# Altium PCB SensorMotherBoard.PcbDoc (part 1 of 2) (continued)
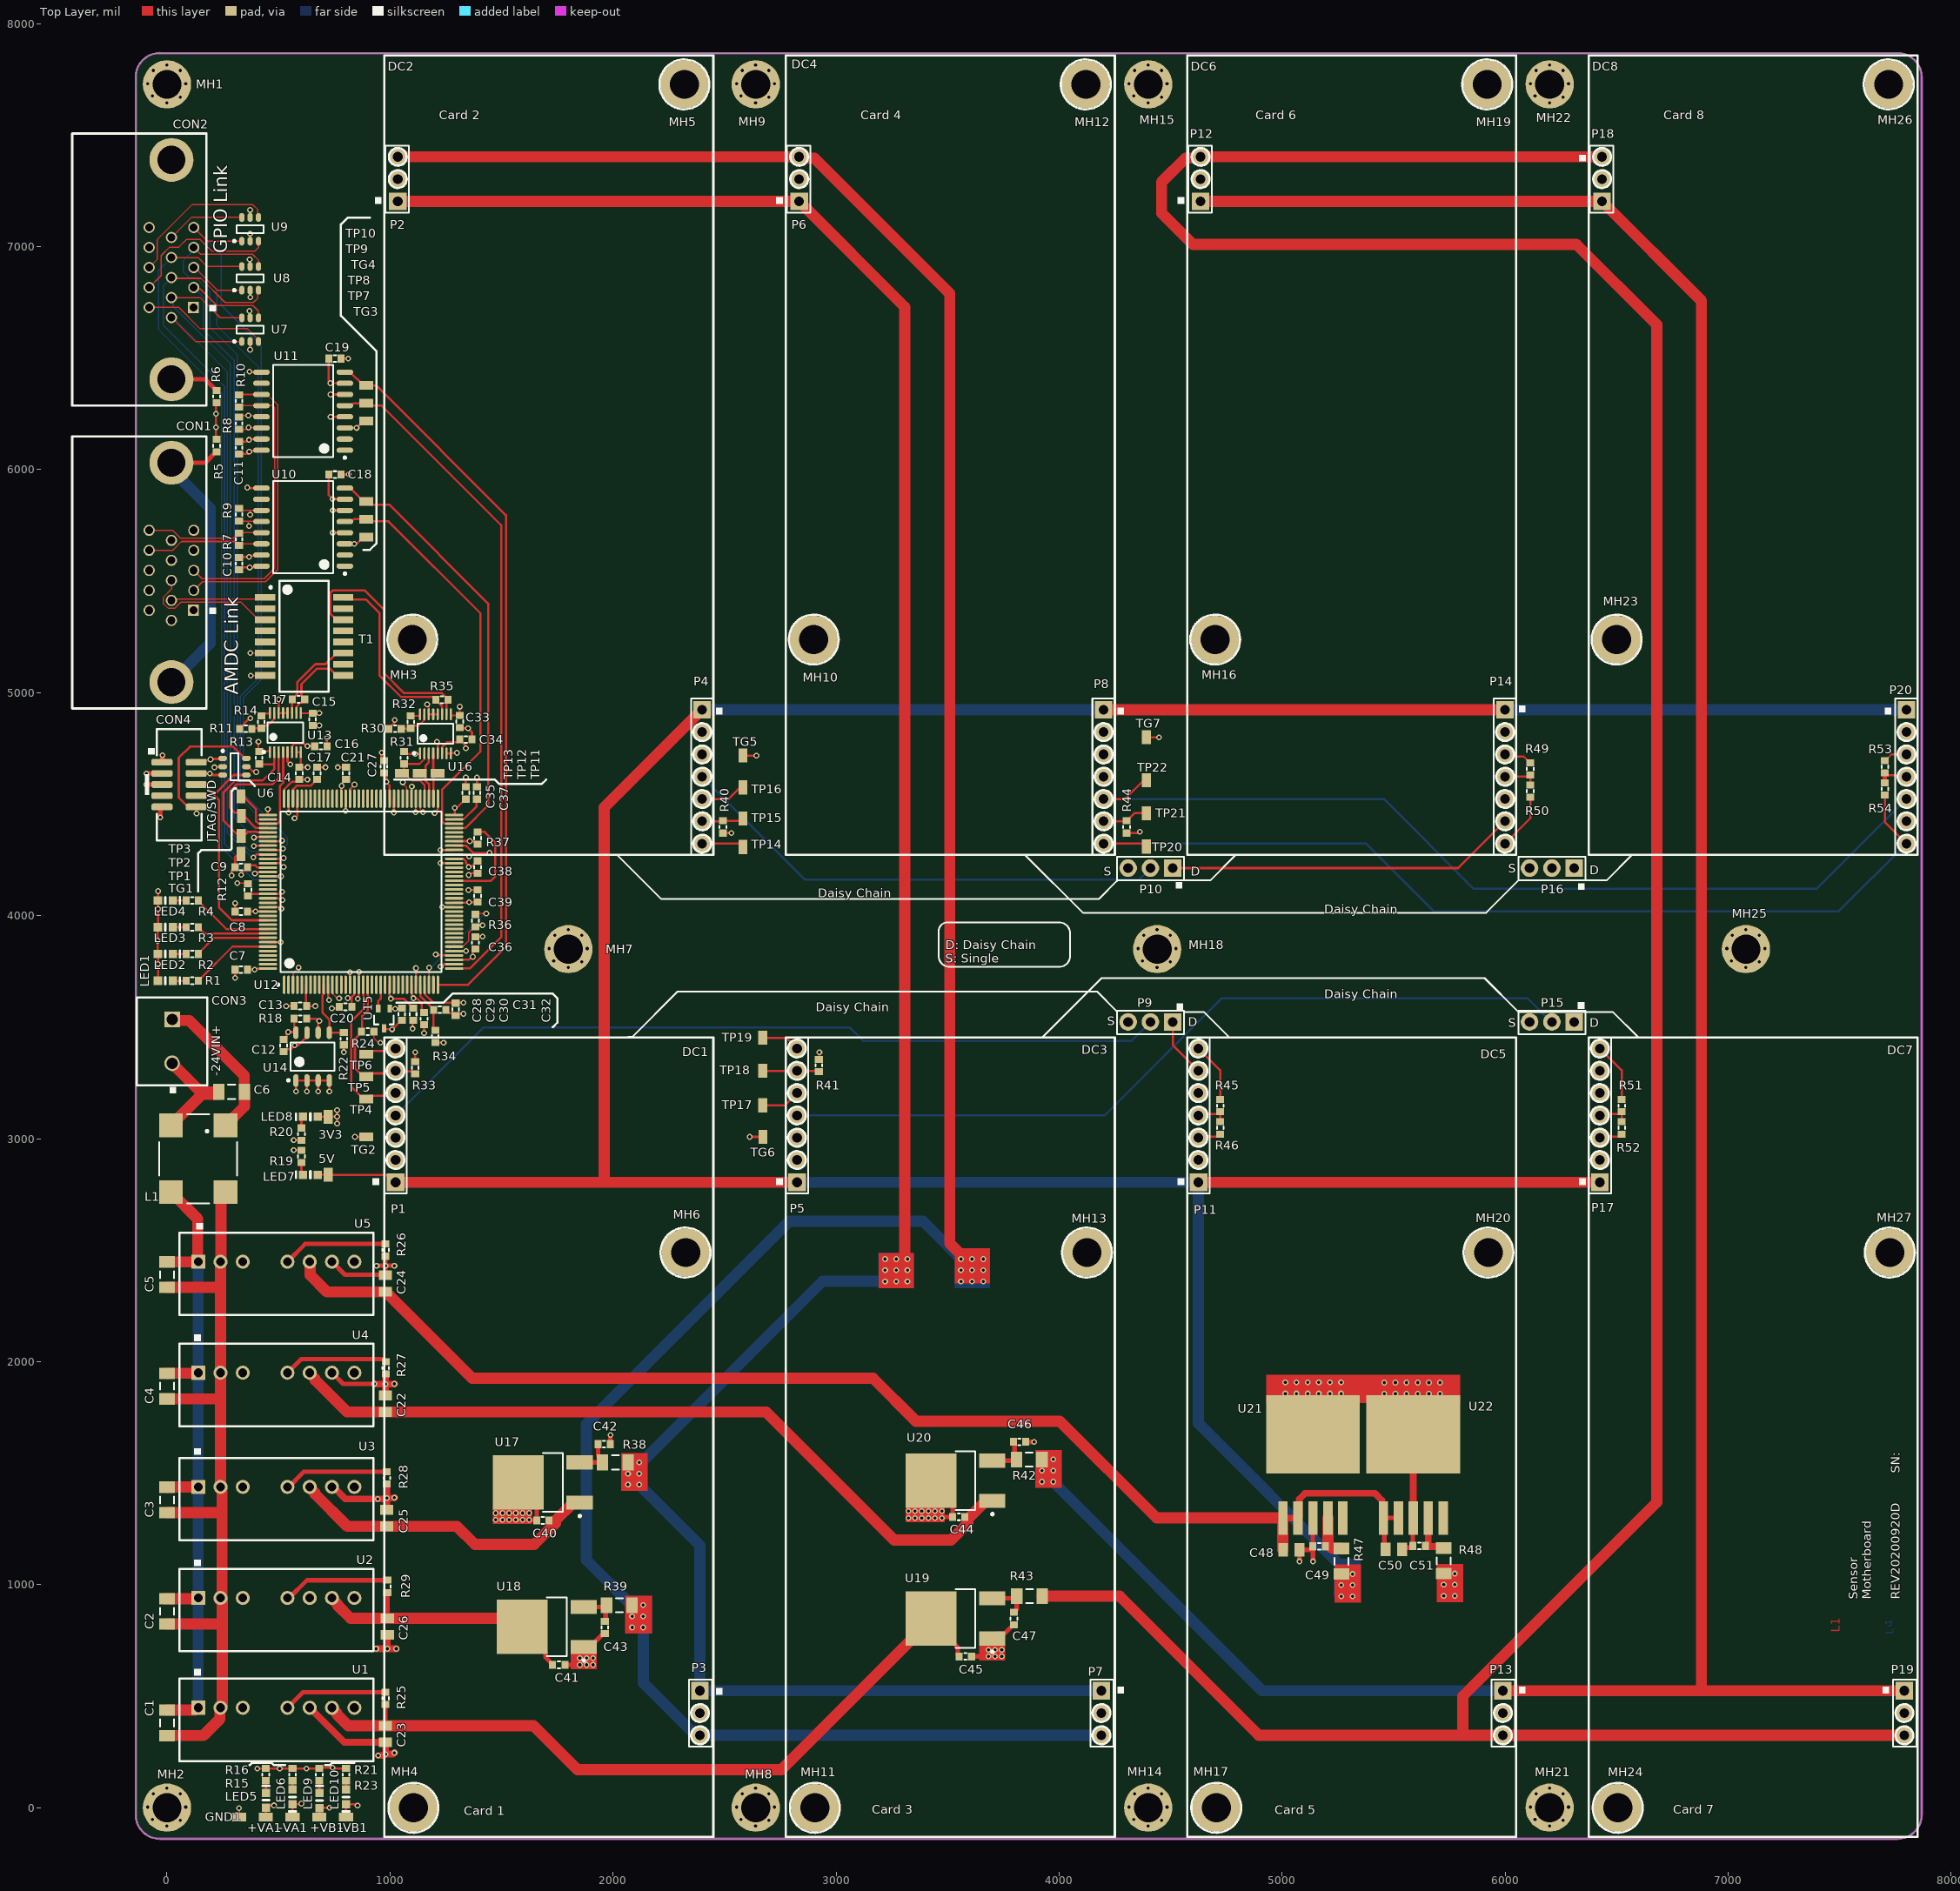
[diagram p0: Top Layer view]
## Part data (continued)
LED2: library part LED, "LED GREEN CLEAR 0603 R/A SMD", Case Code (Imperial)=0603, Case Code (Metric)=1608, Color=Green, Forward Current=30mA, Forward Voltage=2V, Lens Color=Colorless, Manufacturer="Vishay Lite-On", Manufacturer Part Number=LTST-S270KGKT, Max Operating Temperature=85°C, Min Operating Temperature=-55°C, Package Quantity=1, Power Dissipation=75mW, Reverse Voltage=5V, Supplier Part Number 1=160-1478-1-ND, Test Current=20mA, Case/Package=0603, Category=LEDs, ComponentLink1Description=https://datasheet.ciiva.com/12400/ltst-s270kgkt-201847-12400865.pdf?src-supplier=Mouser, ComponentLink1URL=https://datasheet.ciiva.com/12400/ltst-s270kgkt-201847-12400865.pdf?src-supplier=Mouser, ComponentLink2Description=https://datasheet.ciiva.com/2110/ltst-s270kgkt-2110006.pdf?src-supplier=Digi-Key, ComponentLink2URL=https://datasheet.ciiva.com/2110/ltst-s270kgkt-2110006.pdf?src-supplier=Digi-Key, ComponentLink3Description=https://datasheet.ciiva.com/4266/dwonloadfilehandler-ashxtxtspecnods222000226-4266440.pdf?src-supplier=Arrow, ComponentLink3URL=https://datasheet.ciiva.com/4266/dwonloadfilehandler-ashxtxtspecnods222000226-4266440.pdf?src-supplier=Arrow, ComponentLink4Description=https://datasheet.ciiva.com/11774/0900766b80dc0b88-11774745.pdf?src-supplier=RSComponents, ComponentLink4URL=https://datasheet.ciiva.com/11774/0900766b80dc0b88-11774745.pdf?src-supplier=RSComponents, ComponentLink5Description=https://datasheet.ciiva.com/16448/ltst-s270kgkt-16448566.pdf?src-supplier=Future+Electronics, ComponentLink5URL=https://datasheet.ciiva.com/16448/ltst-s270kgkt-16448566.pdf?src-supplier=Future+Electronics, ComponentLink6Description=https://datasheet.ciiva.com/2110/s-110-ltst-s270kgkt-2110007.pdf?src-supplier=Digi-Key, ComponentLink6URL=https://datasheet.ciiva.com/2110/s-110-ltst-s270kgkt-2110007.pdf?src-supplier=Digi-Key, ComponentLink7Description=https://datasheet.ciiva.com/2110/s-110-ltst-s270kgkt-2110008.pdf?src-supplier=Digi-Key, ComponentLink7URL=https://datasheet.ciiva.com/2110/s-110-ltst-s270kgkt-2110008.pdf?src-supplier=Digi-Key, Depth=0.6mm, Dominant Wavelength=571nm, Height=0.6mm, Illumination Color=Green, Lead Free="Lead Free", Length=1.6mm, Lens Style=Diffused,Colorless,Rectangular,Clear, Lens Transparency=Clear, Luminous Intensity=71mcd, Mount="Surface Mount", Number of Elements=1, Number of LEDs=1, Number of Pins=2, Packaging="Tape and Reel", Power Rating=75mW, Pricing 1="1=0.24000, 10=0.17900, 100=0.08460, 500=0.05640, 1000=0.04418 (USD)", Radiation Hardening=No, RoHS=Yes, Stock 1=53847, Supplier 1=Digi-Key, Viewing Angle=130°, Wavelength=574nm, Width=1.15mm
LED3 LED6 LED10: library part LED, Supplier Part Number 1=160-1448-6-ND, Supplier 1=Digi-Key
LED4 LED5 LED7 LED8 LED9: library part LED, Supplier Part Number 1=160-1447-6-ND, Supplier 1=Digi-Key
MH1 MH2 MH3 MH4 MH5 MH6 MH7 MH8 MH9 MH10 MH11 MH12 MH13 MH14 MH15 MH16 MH17 MH18 MH19 MH20 MH21 MH22 MH23 MH24 MH25 MH26 MH27: library part MOUNT_HOLE, "M3 size Mounting Hole"
P1 P4 P5 P8 P11 P14 P17 P20: Supplier Part Number 1=732-5320-ND, Supplier 1=Digi-Key
  P11 P14: ComponentLink1Description=https://datasheet.ciiva.com/16318/eng-cs-1307819-section-5-0908-16318099.pdf?src-supplier=Future+Electronics, ComponentLink1URL=https://datasheet.ciiva.com/16318/eng-cs-1307819-section-5-0908-16318099.pdf?src-supplier=Future+Electronics, ComponentLink2Description=https://datasheet.ciiva.com/15175/getdatasheetpartid-36747-15175462.pdf?src-supplier=Verical, ComponentLink2URL=https://datasheet.ciiva.com/15175/getdatasheetpartid-36747-15175462.pdf?src-supplier=Verical, ComponentLink3Description=https://datasheet.ciiva.com/746/eng-cd-534237-r5-746279.pdf?src-supplier=Digi-Key, ComponentLink3URL=https://datasheet.ciiva.com/746/eng-cd-534237-r5-746279.pdf?src-supplier=Digi-Key, ComponentLink4Description=https://datasheet.ciiva.com/9479/eng-ds-1307819-ampmodu-0811-9479736.pdf?src-supplier=Avnet, ComponentLink4URL=https://datasheet.ciiva.com/9479/eng-ds-1307819-ampmodu-0811-9479736.pdf?src-supplier=Avnet, ComponentLink5Description=https://datasheet.ciiva.com/30056/eng-ds-1307819-ampmodu-0811-30056440.pdf?src-supplier=Onlinecomponents.com, ComponentLink5URL=https://datasheet.ciiva.com/30056/eng-ds-1307819-ampmodu-0811-30056440.pdf?src-supplier=Onlinecomponents.com
P2 P3 P6 P7 P12 P13 P18 P19: Color=Black, Manufacturer="Wurth Electronics", Manufacturer Part Number=61300311121, Supplier Part Number 1=732-5316-ND, ComponentLink1Description=http://www.farnell.com/cad/1737268.pdf?src-supplier=Element14, ComponentLink1URL=http://www.farnell.com/cad/1737268.pdf?src-supplier=Element14, ComponentLink2Description=https://katalog.we-online.de/em/datasheet/6130xx11121.pdf?src-supplier=Digi-Key, ComponentLink2URL=https://katalog.we-online.de/em/datasheet/6130xx11121.pdf?src-supplier=Digi-Key, Connector Type="Male Pin", Contact Material=Copper, Contact Mating Length=0.236inch, Contact Plating=Gold, Gender=Male, Lead Free="Lead Free", Mount="Through Hole", Number of Contacts=3, Number of Positions=3, Number of Rows=1, Packaging=Bulk, Pitch=0.1inch, Pricing 1="1=0.13000, 10=0.10600, 25=0.08800, 50=0.07400, 100=0.06700, 1000=0.06100 (USD)", REACH SVHC=Unknown, RoHS=Yes, Stock 1=113049, Supplier 1=Digi-Key, Termination=Solder
P9 P10 P15 P16: "Board-To-Board Connector, Vertical, Wr-Phd Series, Through Hole, Header, 3, 2.54 Mm", Color=Black, Manufacturer="Wurth Electronics", Manufacturer Part Number=61300311121, Supplier Part Number 1=732-5316-ND, Category=Connectors, ComponentLink1Description=http://www.farnell.com/cad/1737268.pdf?src-supplier=Element14, ComponentLink1URL=http://www.farnell.com/cad/1737268.pdf?src-supplier=Element14, ComponentLink2Description=https://katalog.we-online.de/em/datasheet/6130xx11121.pdf?src-supplier=Digi-Key, ComponentLink2URL=https://katalog.we-online.de/em/datasheet/6130xx11121.pdf?src-supplier=Digi-Key, Connector Type="Male Pin", Contact Material=Copper, Contact Mating Length=0.236inch, Contact Plating=Gold, Gender=Male, Lead Free="Lead Free", Mount="Through Hole", Number of Contacts=3, Number of Positions=3, Number of Rows=1, Packaging=Bulk, Pitch=0.1inch, Pricing 1="1=0.13000, 10=0.10600, 25=0.08800, 50=0.07400, 100=0.06700, 1000=0.06100 (USD)", REACH SVHC=Unknown, RoHS=Yes, Stock 1=132460, Supplier 1=Digi-Key, Termination=Solder
R1 R2 R3 R4 R19 R20: "RES 470 OHM 1% 1/10W 0603", Case Code (Imperial)=0603, Case Code (Metric)=1608, Manufacturer="Stackpole Electronics", Manufacturer Part Number=RMCF0603FT470R, Max Operating Temperature=155°C, Max Power Dissipation=100mW, Min Operating Temperature=-55°C, Resistance=470R, Supplier Part Number 1=RMCF0603FT470RCT-ND, Temperature Coefficient=100ppm/°C, Tolerance=1%, Case/Package=0603, Category="Chip SMD Resistors", ComponentLink1Description=https://www.seielect.com/catalog/SEI-RMCF_RMCP.pdf?src-supplier=Avnet, ComponentLink1URL=https://www.seielect.com/catalog/SEI-RMCF_RMCP.pdf?src-supplier=Avnet, ComponentLink2Description=http://components.arrow.com/part/dataview/50497142S181428N1174?src-supplier=Arrow, ComponentLink2URL=http://components.arrow.com/part/dataview/50497142S181428N1174?src-supplier=Arrow, ComponentLink3Description=https://www.seielect.com/catalog/SEI-Packaging.pdf?src-supplier=Digi-Key, ComponentLink3URL=https://www.seielect.com/catalog/SEI-Packaging.pdf?src-supplier=Digi-Key, Composition="Thick Film", Contact Plating=Tin,Matte, Features="Automotive AEC-Q200", Height=0.022inch, Length=0.061inch, Mount="Surface Mount", Number of Terminations=2, Packaging="Tape and Reel", Pricing 1="1=0.10000, 10=0.01600, 100=0.00650, 1000=0.00292, 2500=0.00253 (USD)", Radiation Hardening=No, RoHS=Yes, Stock 1=165688, Supplier 1=Digi-Key, Width=0.031inch
R5 R6 R12 R24 R34 R36 R37 R45 R50 R51 R54: Supplier Part Number 1=P0.0GDKR-ND, Supplier 1=Digi-Key
R7 R8 R9 R10 R17 R35: Supplier Part Number 1=311-120HRCT-ND, Supplier 1=Digi-Key
R11 R30: "Res Thick Film 0603 1.2K Ohm 1% 0.1W(1/10W) }100ppm/C Molded SMD Automotive Punched T/R", Case Code (Imperial)=0603, Case Code (Metric)=1608, Manufacturer=Panasonic, Manufacturer Part Number=ERJ3EKF1201V, Max Operating Temperature=155°C, Max Power Dissipation=100mW, Min Operating Temperature=-55°C, Package Quantity=5000, Resistance=1.2kR, Supplier Part Number 1=P1.20KHCT-ND, Temperature Coefficient=100ppm/°C, Tolerance=1%, Voltage Rating=75V, Case/Package=0603, Category="Chip SMD Resistors", ComponentLink1Description=https://datasheet.ciiva.com/3883/3984280s8821682n1386-3883650.pdf?src-supplier=Arrow, ComponentLink1URL=https://datasheet.ciiva.com/3883/3984280s8821682n1386-3883650.pdf?src-supplier=Arrow, ComponentLink2Description=https://datasheet.ciiva.com/9198/aoa0000ce2-9198543.pdf?src-supplier=Avnet, ComponentLink2URL=https://datasheet.ciiva.com/9198/aoa0000ce2-9198543.pdf?src-supplier=Avnet, ComponentLink3Description=https://datasheet.ciiva.com/24026/aoa0000ce2-24026879.pdf?src-supplier=Mouser, ComponentLink3URL=https://datasheet.ciiva.com/24026/aoa0000ce2-24026879.pdf?src-supplier=Mouser, ComponentLink4Description=https://datasheet.ciiva.com/6138/aoa0000ce2-6138181.pdf?src-supplier=Farnell, ComponentLink4URL=https://datasheet.ciiva.com/6138/aoa0000ce2-6138181.pdf?src-supplier=Farnell, ComponentLink5Description=https://datasheet.ciiva.com/28584/1678782-28584092.pdf?src-supplier=Element14, ComponentLink5URL=https://datasheet.ciiva.com/28584/1678782-28584092.pdf?src-supplier=Element14, ComponentLink6Description=https://datasheet.ciiva.com/9198/aoa0000ce2-9198517.pdf?src-supplier=Avnet, ComponentLink6URL=https://datasheet.ciiva.com/9198/aoa0000ce2-9198517.pdf?src-supplier=Avnet, ComponentLink7Description=https://datasheet.ciiva.com/30247/aoa0000ce2-30247927.pdf?src-supplier=Onlinecomponents.com, ComponentLink7URL=https://datasheet.ciiva.com/30247/aoa0000ce2-30247927.pdf?src-supplier=Onlinecomponents.com, ComponentLink8Description=https://datasheet.ciiva.com/16772/70260748-16772620.pdf?src-supplier=Allied+Electronics, ComponentLink8URL=https://datasheet.ciiva.com/16772/70260748-16772620.pdf?src-supplier=Allied+Electronics, ComponentLink9Description=https://datasheet.ciiva.com/7802/aoa0000ce2-7802415.pdf?src-supplier=Element14, ComponentLink9URL=https://datasheet.ciiva.com/7802/aoa0000ce2-7802415.pdf?src-supplier=Element14, Composition="Thick Film", Contact Plating=Tin, Depth=0.8mm, Features="Automotive AEC-Q200", Height=0.45mm, Lead Free="Lead Free", Length=1.6mm, Military Standard=Not, Mount="Surface Mount", Number of Pins=2, Number of Terminations=2, Packaging="Tape and Reel", Power Rating=100mW, Pricing 1="1=0.10000, 10=0.05600, 100=0.02270, 1000=0.01018, 2500=0.00883 (USD)", REACH SVHC="No SVHC", RoHS=Yes, Stock 1=138250, Supplier 1=Digi-Key, Termination=SMD/SMT, Voltage Rating (DC)=75V, Width=0.8mm
R13 R14 R31 R32: Supplier Part Number 1=311-2.80KHRCT-ND, Supplier 1=Digi-Key
R15 R16 R21 R23: "RES 3K OHM 1% 1/10W 0603", Case Code (Imperial)=0603, Case Code (Metric)=1608, Manufacturer="Stackpole Electronics", Manufacturer Part Number=RMCF0603FT3K00, Max Operating Temperature=155°C, Max Power Dissipation=100mW, Min Operating Temperature=-55°C, Package Quantity=5000, Resistance=3kR, Supplier Part Number 1=RMCF0603FT3K00CT-ND, Temperature Coefficient=100ppm/°C, Tolerance=1%, Case/Package=0603, Category="Chip SMD Resistors", ComponentLink1Description=http://www.seielect.com/Catalog/SEI-RMCF_RMCP.pdf?src-supplier=Digi-Key, ComponentLink1URL=http://www.seielect.com/Catalog/SEI-RMCF_RMCP.pdf?src-supplier=Digi-Key, ComponentLink2Description=https://www.seielect.com/Catalog/SEI-RMCF_RMCP.pdf?src-supplier=Digi-Key, ComponentLink2URL=https://www.seielect.com/Catalog/SEI-RMCF_RMCP.pdf?src-supplier=Digi-Key, ComponentLink3Description=https://www.seielect.com/catalog/SEI-RMCF_RMCP.pdf?src-supplier=Avnet, ComponentLink3URL=https://www.seielect.com/catalog/SEI-RMCF_RMCP.pdf?src-supplier=Avnet, ComponentLink4Description=https://www.seielect.com/catalog/SEI-Packaging.pdf?src-supplier=Digi-Key, ComponentLink4URL=https://www.seielect.com/catalog/SEI-Packaging.pdf?src-supplier=Digi-Key, Composition="Thick Film", Contact Plating=Tin,Matte, Features="Automotive AEC-Q200", Height=0.022inch, Lead Free="Lead Free", Length=0.061inch, Mount="Surface Mount", Number of Terminations=2, Packaging="Tape and Reel", Pricing 1="1=0.10000, 10=0.01600, 100=0.00650, 1000=0.00292, 2500=0.00253 (USD)", Radiation Hardening=No, RoHS=Yes, Stock 1=194025, Supplier 1=Digi-Key, Width=0.031inch
R18 R22 R26: "RES 10K OHM 1% 1/8W 0603", Case Code (Imperial)=0603, Case Code (Metric)=1608, Manufacturer="Stackpole Electronics", Manufacturer Part Number=RNCP0603FTD10K0, Max Operating Temperature=155°C, Max Power Dissipation=125mW, Min Operating Temperature=-55°C, Resistance=10kR, Supplier Part Number 1=RNCP0603FTD10K0CT-ND, Temperature Coefficient=100ppm/°C, Tolerance=1%, Case/Package=0603, Category="Chip SMD Resistors", ComponentLink1Description=https://www.seielect.com/Catalog/SEI-rncp.pdf?src-supplier=Avnet, ComponentLink1URL=https://www.seielect.com/Catalog/SEI-rncp.pdf?src-supplier=Avnet, ComponentLink2Description=https://www.seielect.com/catalog/SEI-Packaging.pdf?src-supplier=Digi-Key, ComponentLink2URL=https://www.seielect.com/catalog/SEI-Packaging.pdf?src-supplier=Digi-Key, ComponentLink3Description=https://www.seielect.com/Catalog/SEI-rncp.pdf?src-supplier=Digi-Key, ComponentLink3URL=https://www.seielect.com/Catalog/SEI-rncp.pdf?src-supplier=Digi-Key, Composition="Thin Film", Contact Plating=Tin,Matte, Features="Moisture Resistant,Anti-Sulfur", Height=0.02inch, Lead Free="Lead Free", Length=0.059inch, Mount="Surface Mount", Number of Terminations=2, Packaging="Tape and Reel", Pricing 1="1=0.10000, 10=0.06700, 100=0.02730, 1000=0.01224, 2500=0.01063 (USD)", Radiation Hardening=No, RoHS=Yes, Stock 1=578263, Supplier 1=Digi-Key, Width=0.031inch
R25 R27 R28 R29: "Res Thick Film 0603 15.4K Ohm 1% 1/10W ±100ppm/C Molded SMD SMD Paper T/R", Case Code (Imperial)=0603, Case Code (Metric)=1608, Manufacturer="Stackpole Electronics", Manufacturer Part Number=RMCF0603FT15K4, Max Operating Temperature=155°C, Max Power Dissipation=100mW, Min Operating Temperature=-55°C, Package Quantity=5000, Resistance=15.4kR, Supplier Part Number 1=RMCF0603FT15K4CT-ND, Temperature Coefficient=100ppm/°C, Tolerance=1%, Case/Package=0603, Category="Chip SMD Resistors", ComponentLink1Description=https://datasheet.ciiva.com/26875/getdatasheetpartid-717602-26875361.pdf?src-supplier=Verical, ComponentLink1URL=https://datasheet.ciiva.com/26875/getdatasheetpartid-717602-26875361.pdf?src-supplier=Verical, Composition="Thick Film", Contact Plating=Tin,Matte, Depth=0.8mm, Features="Automotive AEC-Q200", Height=0.022inch, Lead Free="Lead Free", Length=0.061inch, Military Standard=Not, Mount="Surface Mount", Number of Terminations=2, Packaging="Tape and Reel", Power Rating=100mW, Pricing 1="1=0.10000, 10=0.01600, 100=0.00650, 1000=0.00292, 2500=0.00253 (USD)", Radiation Hardening=No, RoHS=Yes, Stock 1=39460, Supplier 1=Digi-Key, Width=0.031inch
R33 R40 R41 R44: library part Resistor, "RES 10K OHM 1% 1/8W 0603", Case Code (Imperial)=0603, Case Code (Metric)=1608, Manufacturer="Stackpole Electronics", Manufacturer Part Number=RNCP0603FTD10K0, Max Operating Temperature=155°C, Max Power Dissipation=125mW, Min Operating Temperature=-55°C, Resistance=10kR, Supplier Part Number 1=RNCP0603FTD10K0CT-ND, Temperature Coefficient=100ppm/°C, Tolerance=1%, Case/Package=0603, Category="Chip SMD Resistors", ComponentLink1Description=https://www.seielect.com/Catalog/SEI-rncp.pdf?src-supplier=Avnet, ComponentLink1URL=https://www.seielect.com/Catalog/SEI-rncp.pdf?src-supplier=Avnet, ComponentLink2Description=https://www.seielect.com/catalog/SEI-Packaging.pdf?src-supplier=Digi-Key, ComponentLink2URL=https://www.seielect.com/catalog/SEI-Packaging.pdf?src-supplier=Digi-Key, ComponentLink3Description=https://www.seielect.com/Catalog/SEI-rncp.pdf?src-supplier=Digi-Key, ComponentLink3URL=https://www.seielect.com/Catalog/SEI-rncp.pdf?src-supplier=Digi-Key, Composition="Thin Film", Contact Plating=Tin,Matte, Features="Moisture Resistant,Anti-Sulfur", Height=0.02inch, Lead Free="Lead Free", Length=0.059inch, Mount="Surface Mount", Number of Terminations=2, Packaging="Tape and Reel", Pricing 1="1=0.10000, 10=0.06700, 100=0.02730, 1000=0.01224, 2500=0.01063 (USD)", Radiation Hardening=No, RoHS=Yes, Stock 1=578263, Supplier 1=Digi-Key, Width=0.031inch
R38 R39 R42 R43 R47 R48: Supplier Part Number 1=311-0.0ERCT-ND, Supplier 1=Digi-Key
R46 R49 R52 R53: library part Resistor, "Resistor", Supplier Part Number 1=P0.0GDKR-ND, Supplier 1=Digi-Key
T1: "XFRMR MAGNETIC 1PORT 1:1 10/100", Supplier Part Number 1=553-1536-1-ND, Supplier 1=Digi-Key
U1 U2 U3 U4: "Recom RS6", Manufacturer=Recom, Manufacturer Part Number=RS6-2415S, Max Output Voltage=16.5V, Supplier Part Number 1=945-2987-ND, ComponentLink1Description=https://www.recom-power.com/pdf/Econoline/RS6.pdf?src-supplier=Digi-Key, ComponentLink1URL=https://www.recom-power.com/pdf/Econoline/RS6.pdf?src-supplier=Digi-Key, Height=11.1mm, Lead Free="Lead Free", Length=21.8mm, Pricing 1="1=14.62000, 5=14.50800, 22=14.39773, 44=14.17591, 66=13.73303, 110=12.40400, 264=12.18250, 506=11.96101 (USD)", RoHS=No, Stock 1=83, Supplier 1=Digi-Key, Weight=4g, Width=9.2mm
U5: library part "DCDC Converter RS6", "Recom RS6", Manufacturer=Recom, Supplier Part Number 1=945-2985-ND, ComponentLink1Description=https://www.recom-power.com/pdf/Econoline/RS6.pdf?src-supplier=Digi-Key, ComponentLink1URL=https://www.recom-power.com/pdf/Econoline/RS6.pdf?src-supplier=Digi-Key, Manufacturer Part Number=RS6-2405S, Supplier 1=Digi-Key
U6 U7 U8 U9: "TVS DIODE 5.5V 10V 6TSOP", Supplier Part Number 1=NUP4114HMR6T1GOSCT-ND, Supplier 1=Digi-Key
U10 U11: "DG ISO 2.5KV RS422/RS485 16SOIC", Supplier Part Number 1=296-43594-1-ND, Supplier 1=Digi-Key
U12: "IC MCU 32BIT 1MB FLASH 144LQFP", Supplier Part Number 1=497-16632-ND, Supplier 1=Digikey
U13 U16: "IC INTERFACE SPECIALIZED 16MSOP", Supplier Part Number 1=LTC6820IMS#TRPBFCT-ND, Supplier 1=Digi-Key
U14: "IC EEPROM 64K I2C 400KHZ 8SOIC", Supplier Part Number 1=24LC64T-I/SNCT-ND, Supplier 1=Digi-Key
U15: "MEMS OSC XO 8.0000MHZ CMOS SMD", Supplier Part Number 1=MAX7375AXR805+TCT-ND, Supplier 1=Digi-Key
U17 U20: "IC REG LINEAR 15V 500MA DPAK", Supplier Part Number 1=MC78M15CDTRKGOSCT-ND, Supplier 1=Digi-Key
U18 U19: "IC REG LINEAR -15V 500MA DPAK", Supplier Part Number 1=MC79M15CDTRKGOSCT-ND, Supplier 1=Digi-Key
U21: "IC REG LINEAR 5V 1A 5DDPAK", Supplier Part Number 1=MCP1826T-5002E/ETCT-ND, Supplier 1=Digi-Key
U22: "IC REG LINEAR 3.3V 1A 5DDPAK", Supplier Part Number 1=MCP1826T-3302E/ETCT-ND, Supplier 1=Digi-Key

## Via types
v1: diameter 26, hole 14, Top Layer to Bottom Layer, tented both sides, 315 vias
v2: diameter 26, hole 14, Top Layer to Bottom Layer, 64 vias

## Nets (pads, with @x,y where several pads share a name; then routed paths per layer and width w, separated by ;. In a path a pad name is that pad's centre, name@x,y a point inside that pad or via, vN(x,y) a via of type N, cw(c..) or ccw(c..) an arc to the next point about the centre after c; other vN are vias at no path point)
3V3: 3V3.1 C7.1 C8.1 C9.1 C12.1 C13.1 C14.1 C16.1 C18.1 C19.1 C20.1 C21.1 C27.1 C28.1 C30.1 C32.1 C34.1 C35.1 C36.1 C38.1 C39.1 CON2.1 CON4.1 LED1.A LED2.A LED3.A LED4.A LED8.A P1.2 P4.2 P5.2 P8.2 P9.3 P10.3 P11.2 P14.2 P15.3 P16.3 P17.2 P20.2 R13.1 R18.2 R22.2 R31.1 R33.2 R34.1 R40.2 R41.2 R44.2 R48.2 U6.5 U7.5 U8.5 U9.5 U10.4 U10.7 U11.4 U11.7 U12.6 U12.17 U12.30 U12.33 U12.39 U12.52 U12.62 U12.72 U12.84 U12.95 U12.108 U12.121 U12.131 U12.144 U13.1 U13.6 U14.8 U15.1 U16.1 U16.6 | length 4060.1
  Top Layer w9: v1(410,4780) 410,4738.47 R13.1@412.91,4735.56 ; R13.1@417.32,4738 461.36,4738 461.82,4737.54 U13.1@462.01,4737.73 ; U13.6@560.05,4759.54 560.05,4733.6 U13.6@560.24,4733.41 ; C18.1@725.35,5978 725.35,5885.56 v1(742.91,5868) 743.27,5867.65 797.24,5867.65 U10.7@797.6,5867.29 ; C19.1@725.35,6498 725.35,6395.56 v1(732.91,6388) 733.27,6387.65 797.24,6387.65 U11.7@797.6,6387.29 ; v1(733.62,6237.29) U11.4@797.6,6237.29 ; 1082.91,4725.56 v1(1112.91,4725.56) 1134.34,4725.56 1134.8,4726.02 U16.1@1134.8,4728
  Top Layer w10: LED1.A@-40.55,3708 -40.5,3708.05 v1(-40.5,3782.51) -40.5,3827.95 LED2.A@-40.55,3828 -42.43,3829.88 -41.52,3830.79 v1(-41.52,3887.41) -41.52,3945.21 -42.43,3946.12 LED3.A@-40.55,3948 -40,3948.55 v1(-40,4030) -40,4067.45 LED4.A@-40.55,4068 -40,4068.55 v1(-40,4110) ; v1@336.34,4183.66 v1(333.1,4183.66) 336.16,4186.72 336.16,4191.72 360.47,4216.03 C9.1@360.47,4218 368.18,4225.7 396.48,4225.7 406.28,4215.91 452.33,4215.91 U12.121@452.68,4215.56 ; U6.5@356.06,4668 363.94,4668 384.68,4647.25 396.96,4647.25 v1(400.02,4644.19) ; C7.1@360.47,3758 v1(392.91,3758) 395.62,3758 400.08,3762.46 452.33,3762.46 U12.144@452.68,3762.8 ; C8.1@361.63,4016.84 C8.1@360.47,4018 361.18,4018.71 v1(397,4018.71) U12.131@452.68,4018.71 ; v1(369.51,6711.65) 369.51,6685.95 368.81,6685.25 U7.5@372.91,6681.15 ; v1(370.7,6942.8) 371.81,6941.69 371.81,6912.26 U8.5@372.91,6911.15 ; U9.5@372.91,7131.15 v1(372.91,7164.5) ; C12.1@522.91,3445.56 532.91,3455.56 534.88,3455.56 535.63,3456.31 535.63,3470.72 v1(542.91,3478) 575.2,3478 575.31,3478.11 575.31,3498.31 570.45,3503.17 R18.2@570.45,3538 ; U12.108@525.51,4524.61 525.86,4524.96 525.86,4566.74 558.81,4599.69 582.16,4599.69 C14.1@592.91,4610.44 593.7,4611.23 594.94,4610 v1(630,4610) ; U13.6@560.24,4733.41 560.24,4760.05 572.68,4772.49 613.18,4772.49 625.67,4760 v1(630,4760) C16.1@662.44,4760 ; C13.1@620.47,3598 C13.1@621.38,3598.91 ; U12.6@623.94,3689.97 623.94,3596.35 C13.1@625.56,3594.72 v1(665.28,3594.72) ; LED8.A@676.38,3098 3V3.1@722.91,3098 v1(762.91,3098) ; v1(743.62,5717.29) U10.4@797.6,5717.29 ; v1(762.91,3068) v1(762.91,3098) ; v1(762.91,3128) v1(762.91,3098) ; U12.95@781.42,4524.61 781.76,4524.96 781.76,4580.22 v1(783.52,4581.98) 786.58,4585.04 786.58,4594.11 790.2,4597.72 790.2,4599.69 800.94,4610.44 C21.1@802.91,4610.44 ; v1(792.91,3388) R22.2@792.91,3420.44 ; v1(810.94,3630.03) 814.01,3633.09 825.38,3633.09 828.35,3636.07 ; C20.1@828.35,3591.39 828.35,3636.07 ; U12.17@840.47,3689.97 840.13,3689.62 840.13,3647.84 828.35,3636.07 ; U12.84@997.95,4524.61 997.95,4582.96 984.57,4596.34 v1(984.57,4600.61) C27.1@984.57,4628.78 ; U15.1@1003.23,3595.73 998.39,3590.89 U15.1@998.39,3583.01 998.93,3582.47 v1(1022.73,3582.47) 1049.82,3582.47 C28.1@1052.91,3585.56 C28.1@1046.18,3592.29 ; U12.30@1096.38,3689.97 1096.72,3689.62 1096.72,3640.66 1104.8,3632.59 v1(1104.8,3629.88) 1106.71,3627.97 1122.6,3627.97 1142.91,3607.66 1142.91,3576.31 1143.66,3575.56 C30.1@1152.91,3575.56 ; R33.2@1112.91,3345.56 1113.49,3346.14 v1(1113.49,3387.71) ; U12.33@1155.43,3654.05 U12.33@1155.43,3689.97 1155.78,3689.62 1155.78,3647.84 1193.62,3610 v1(1330,3610) ; R34.1@1202.91,3430.44 v1(1240.47,3430.44) ; U16.6@1233.23,4728 1233.23,4754.64 1255.87,4777.28 1301.69,4777.28 C34.1@1312.44,4788.03 ; U12.39@1287.32,3802.17 1354.38,3802.17 1367.56,3815.35 v1(1371.19,3815.35) 1371.19,3838.72 C36.1@1382.91,3850.44 ; U12.52@1287.32,4058.08 1350.29,4058.08 1352.65,4060.44 v1(1355.35,4060.44) C39.1@1392.91,4060.44 ; U12.62@1287.32,4254.93 1287.67,4254.58 1329.45,4254.58 1330.38,4253.65 1341.16,4242.87 1341.16,4234.08 1352.91,4222.33 v1(1352.91,4218) 1355.97,4221.06 1366.45,4221.06 C38.1@1383.39,4238 ; U12.72@1287.32,4451.78 1289.16,4451.78 1290,4452.62 v1(1290,4483.45) 1293.06,4486.51 1302.1,4486.51 1338.03,4522.44 C35.1@1340,4522.44 ; C34.1@1312.44,4790 C34.1@1312.44,4788.03 ; v1(1340,4750) 1340,4760.47 C34.1@1312.44,4788.03 ; R40.2@2492.91,4370.44 v1(2530.47,4370.44) ; R41.2@2922.91,3355.56 2920,3358.47 2925.52,3363.99 v1(2925.52,3387.57) ; R44.2@4302.91,4370.44 4351.87,4370.44 4357.37,4375.94 v1(4361.7,4375.94) ; C27.1@984.57,4628.78 984.57,4629.69 973.82,4640.44 C27.1@972.91,4640.44 C27.1@984.57,4628.78 ; C38.1@1383.39,4238 1385.35,4238 C38.1@1392.91,4245.56 1390.94,4245.56 C38.1@1383.39,4238
  Top Layer w20: CON4.1@-22.31,4688 -20,4690.31 v1(-20,4720)
  other v1: 5724.49,949.58 5774.49,949.58 5724.49,999.58 5774.49,999.58 5774.49,1049.58
5V: 5V.1 C15.1 C33.1 LED7.A P1.1 P4.1 P5.1 P8.1 P11.1 P14.1 P17.1 P20.1 R47.2 U13.9 U16.9 | length 15637.8
  Top Layer w9: U13.9@599.61,4908.61 599.61,4908.46 600.08,4908 C15.1@652.91,4908 v1(682.91,4908) ; LED7.A@676.38,2838 5V.1@722.91,2838 ; U16.9@1272.6,4903.2 1272.6,4898.46 1273.06,4898 C33.1@1312.91,4898 v1(1312.91,4937.09)
  Top Layer w10: 5V.1@722.91,2838 982.06,2838 1015.81,2804.25 P1.1@1025.2,2804.25
  Top Layer w50: P1.1@1025.2,2804.25 1960,2804.25 ; P4.1@2399.64,4923.26 2398,4923.26 1960,4485.26 1960,2804.25 ; P5.1@2825.2,2804.25 1960,2804.25 ; P8.1@4199.64,4923.26 P14.1@5999.64,4923.26 ; P11.1@4625.2,2804.25 P17.1@6425.2,2804.25
  Bottom Layer w50: P4.1@2394.5,4918.12 P4.1@2399.64,4923.26 P8.1@4199.64,4923.26 ; P5.1@2825.2,2804.25 P11.1@4625.2,2804.25 4625.2,1722.72 5262.91,1085.01 ; P14.1@5999.64,4923.26 6004.38,4928 6009.11,4923.26 7790.38,4923.26 P20.1@7804.27,4909.38
  other v1: 5265.83,947.56 5315.83,947.56 5265.83,997.56 5315.83,997.56 5315.83,1047.56
5V_CN: C10.1 C11.1 CON1.1 U10.16 U11.16 | length 1127.1
  Top Layer w10: C10.1@322.91,5550.44 333.66,5561.19 v1(370.81,5561.19) 417.48,5561.19 U10.16@423.58,5567.29 ; C11.1@322.91,6070.44 362.65,6070.44 369.71,6077.5 372.41,6077.5 v1@372.41,6078 ; v1(368.83,6080.14) 373.16,6080.14 377.71,6084.68 420.98,6084.68 U11.16@423.58,6087.29
  Layer 2 w30: CON1.1@118.42,5369.73 309.88,5561.19 v1(370.81,5561.19) 440,5630.38 440,6008.97 v1(368.83,6080.14)
24V: C1.1 C2.2 C3.2 C4.2 C5.2 L1.4 U1.2 U2.2 U3.2 U4.2 U5.2 | length 3650.4
  Top Layer w50: C1.1@0,322.91 162.91,322.91 237.51,397.51 237.51,449.03 248.09,459.6 248.09,820 ; C2.2@0,822.91 245.17,822.91 248.09,820 ; C3.2@0,1322.91 244.05,1322.91 246.96,1320 ; C4.2@0,1832.91 237.09,1832.91 240,1830 ; C5.2@0,2332.91 237.09,2332.91 240,2330 ; U2.2@237.51,929.54 237.51,934.21 241.03,937.72 245.6,937.72 246.96,939.09 246.96,1320 ; U3.2@240,1430.13 U3.2@240,1438.31 240,1830 ; U3.2@245.84,1438.31 246.96,1437.19 246.96,1320 ; U2.2@248.09,940.21 248.09,820 ; L1.4@262.44,2760 242.49,2740.05 242.49,2450.49 U5.2@240,2448 240,2330 ; 240,1830 U4.2@240,1950 240,2330
+5V5: C24.2 C48.2 C50.2 U5.6 U21.1 U21.2 U22.1 U22.2 | length 5858.7
  Top Layer w20: C50.2@5458.43,1162.11 5458.43,1294.87 U22.1@5454.28,1299.02 U22.2@5521.28,1299.02 ; C50.2@5460.01,1162.11 C50.2@5464.16,1157.96
  Top Layer w30: U21.1@5004.28,1299.02 U21.2@5071.28,1299.02 5077.28,1305.02 5077.28,1383.52 5102.78,1409.02 5416.42,1409.02 5448.28,1377.16 5448.28,1305.02 U22.1@5454.28,1299.02
  Top Layer w50: U5.6@640,2448 642.49,2445.51 642.49,2387.51 717,2313 C24.2@980,2313 981.18,2313 1368.72,1925.46 3165.46,1925.46 3357.91,1733 4002.91,1733 4436.89,1299.02 U21.1@5004.28,1299.02 5002.78,1297.52 C48.2@5002.78,1155.95
+15VA: +VA1.1 LED5.A P2.1 P3.1 P6.1 P7.1 R38.1 | length 13248.2
  Top Layer w10: +VA1.1@442.91,-42 LED5.A@442.91,-1.89 ; LED5.A@442.91,0.63 LED5.A@442.91,-1.89 ; v1(480,10) 454.8,10 LED5.A@444.18,-0.62 LED5.A@442.91,-1.89
  Top Layer w50: P2.1@1034.76,7203.07 P6.1@2834.76,7203.07 3308,6729.83 3308,2462.86 3310.86,2460 v1(3320,2460)
  Layer 1 w50: P3.1@2389.99,524.29 P3.1@2395.49,529.79 ; P7.1@4189.99,524.29 P7.1@4189.99,532.07
  Layer 2 w10: v1(480,10) 530,60 677.57,60 935.57,318 2183.7,318 P3.1@2389.99,524.29
  Bottom Layer w50: v1(2117.41,1448) 2389.99,1175.41 P3.1@2389.99,524.29 P7.1@4189.99,524.29 ; v1(2117.41,1548) 2128,1548 2940,2360 v1(3220,2360)
  other v1: 2067.41,1448 2067.41,1498 2117.41,1498 3270,2360 3320,2360 3220,2410 3270,2410 3320,2410 3220,2460 3270,2460
+15VB: +VB1.1 LED9.A P12.1 P13.1 P18.1 P19.1 R42.1 | length 18440.4
  Top Layer w10: +VB1.1@682.91,-42 684.17,-40.74 LED9.A@684.17,-1.83 ; LED9.A@696.61,0.83 698.07,-0.62 v1(728.94,-0.62)
  Top Layer w50: R42.1@3923.49,1561.29 3923.49,1551.45 3924.08,1550.86 R42.1@3933.92,1550.86 ; P12.1@4634.76,7203.07 P18.1@6434.76,7203.07 6880,6757.83 6880,524.29 ; P13.1@5989.99,524.29 6880,524.29 ; P19.1@7789.99,524.29 6880,524.29
  Layer 2 w10: v1(728.94,-0.62) 830.83,101.27 901.27,101.27 1008,208 5673.7,208 P13.1@5989.99,524.29
  Bottom Layer w50: v1(3973.49,1461.29) 4910.49,524.29 P13.1@5989.99,524.29
  other v1: 3923.49,1461.29 3923.49,1511.29 3973.49,1511.29 3973.49,1561.29
+16.5VA: C25.2 C40.2 U3.6 U17.1 | length 1407.2
  Top Layer w50: U3.6@640,1438.31 640,1434.8 663.5,1411.29 663.5,1406.63 808.82,1261.31 C25.2@985.84,1261.31 1299.53,1261.31 1380.84,1180 1646.9,1180 1742.09,1275.19 1742.09,1287.41 1822.76,1368.08 U17.1@1850.32,1368.08
+16.5VB: C22.2 C44.2 U4.6 U20.1 | length 3460
  Top Layer w50: U4.6@640,1950 640,1946.48 663.5,1922.98 663.5,1918.31 807.49,1774.33 C22.2@979.27,1774.33 2685.67,1774.33 3260,1200 3515.97,1200 3591.12,1275.15 3591.12,1294.43 3672.76,1376.08 U20.1@3700.32,1376.08
-15VA: -VA1.1 LED6.C P2.3 P3.3 P6.3 P7.3 R39.2 | length 14595.6
  Top Layer w10: -VA1.1@562.91,-42 LED6.C@562.91,14.54 596.74,14.54 600.21,18 v1(602.91,18)
  Top Layer w50: P2.3@1034.76,7403.07 P6.3@2834.76,7403.07 2840.26,7397.57 2902.43,7397.57 3510,6790 3510,2529.89 3556.92,2482.97 3556.92,2482.86 3559.83,2479.94 3559.94,2479.94 3610.96,2428.93
  Layer 1 w50: P3.3@2384.49,329.79 P3.3@2389.99,324.29 P3.3@2395.49,318.79 ; P7.3@4182.22,324.29 P7.3@4189.99,324.29 P7.3@4195.49,329.79
  Layer 2 w10: v1(602.91,18) 604.91,20 680,20 948,288 2349.39,288 2385.68,324.29 P3.3@2389.99,324.29
  Bottom Layer w50: 2080,910 1880,1110 1880,1720 2790,2630 3390,2630 v1(3560,2460) ; v1(2135.49,807.77) 2135.49,559.48 2365.18,329.79 2384.49,329.79 P3.3@2389.99,324.29 P7.3@4189.99,324.29
  other v1: 2085.49,807.77 2085.49,857.77 2135.49,857.77 2135.49,907.77 3560,2360 3610,2360 3660,2360 3560,2410 3610,2410 3660,2410 3610,2460 3660,2460
-15VB: -VB1.1 LED10.C P12.3 P13.3 P18.3 P19.3 R43.2 | length 20782.5
  Top Layer w10: -VB1.1@802.91,-42 LED10.C@802.91,14.54 849.45,14.54 v1(854.45,9.54)
  Top Layer w50: R43.2@3924.49,948 4272,948 4895.71,324.29 5810,324.29 ; P18.3@6434.76,7403.07 P12.3@4634.76,7403.07 4629.26,7397.57 4567.57,7397.57 4460,7290 4460,7150 4600,7010 6320,7010 6680,6650 6680,1370 5810,500 5810,324.29 ; P19.3@7789.99,324.29 P13.3@5989.99,324.29 5810,324.29
  Layer 1 w50: P12.3@4626.98,7403.07 P12.3@4634.76,7403.07
  Layer 2 w10: v1(854.45,9.54) 1002.91,158 5823.7,158 P13.3@5989.99,324.29
-16.5VA: C26.1 C41.1 R29.2 U2.7 U18.4 | length 1249.2
  Top Layer w20: C26.1@988.09,849.21 R29.2@988.09,964.65 ; U18.4@1593.6,802.34 1697.77,698.17 1697.77,673.42 1729.01,642.18 C41.1@1729.01,640.21
  Top Layer w50: U2.7@740,940.21 740,936.69 763.5,913.19 763.5,908.52 822.82,849.21 C26.1@988.09,849.21 1546.73,849.21 U18.4@1593.6,802.34
-16.5VB: C23.1 C45.1 R25.2 U1.7 U19.4 | length 3393.1
  Top Layer w20: C23.1@980,367 980,420 R25.2@980,462.44 ; U19.4@3425.52,840.13 3546.54,719.1 3546.54,683.75 C45.1@3552.29,678
  Top Layer w50: U1.7@740,448 740,444.48 763.5,420.98 763.5,416.31 812.82,367 C23.1@980,367 1643.76,367 1840.76,170 2755.39,170 U19.4@3425.52,840.13
AMDC_isoSPI1_MISO: TP12.1 U12.75 U16.3 | length 240
  Top Layer w10: TP12.1@1132.91,4638 TP12.1@1144.72,4638 ; U16.3@1174.17,4728 1174.17,4686.43 1159.41,4671.66 1159.41,4652.69 TP12.1@1144.72,4638 ; U12.75@1175.12,4524.61 1175.12,4589.84 1159.41,4605.55 1159.41,4623.31 TP12.1@1144.72,4638
AMDC_isoSPI1_MOSI: R31.2 TP11.1 U12.76 U16.2 | length 355.7
  Top Layer w9: TP11.1@1052.91,4638 TP11.1@1058.82,4638 ; U16.2@1154.49,4728 1154.3,4727.81 1154.3,4701.88 1132.86,4680.44 R31.2@1062.91,4680.44 1062.91,4642.09 TP11.1@1058.82,4638 ; U12.76@1155.43,4524.61 1154.89,4525.15 1154.89,4586.02 1134.6,4606.31 1096.41,4606.31 1064.72,4638 TP11.1@1058.82,4638